# KiCad board PETER.kicad_pcb (continued)
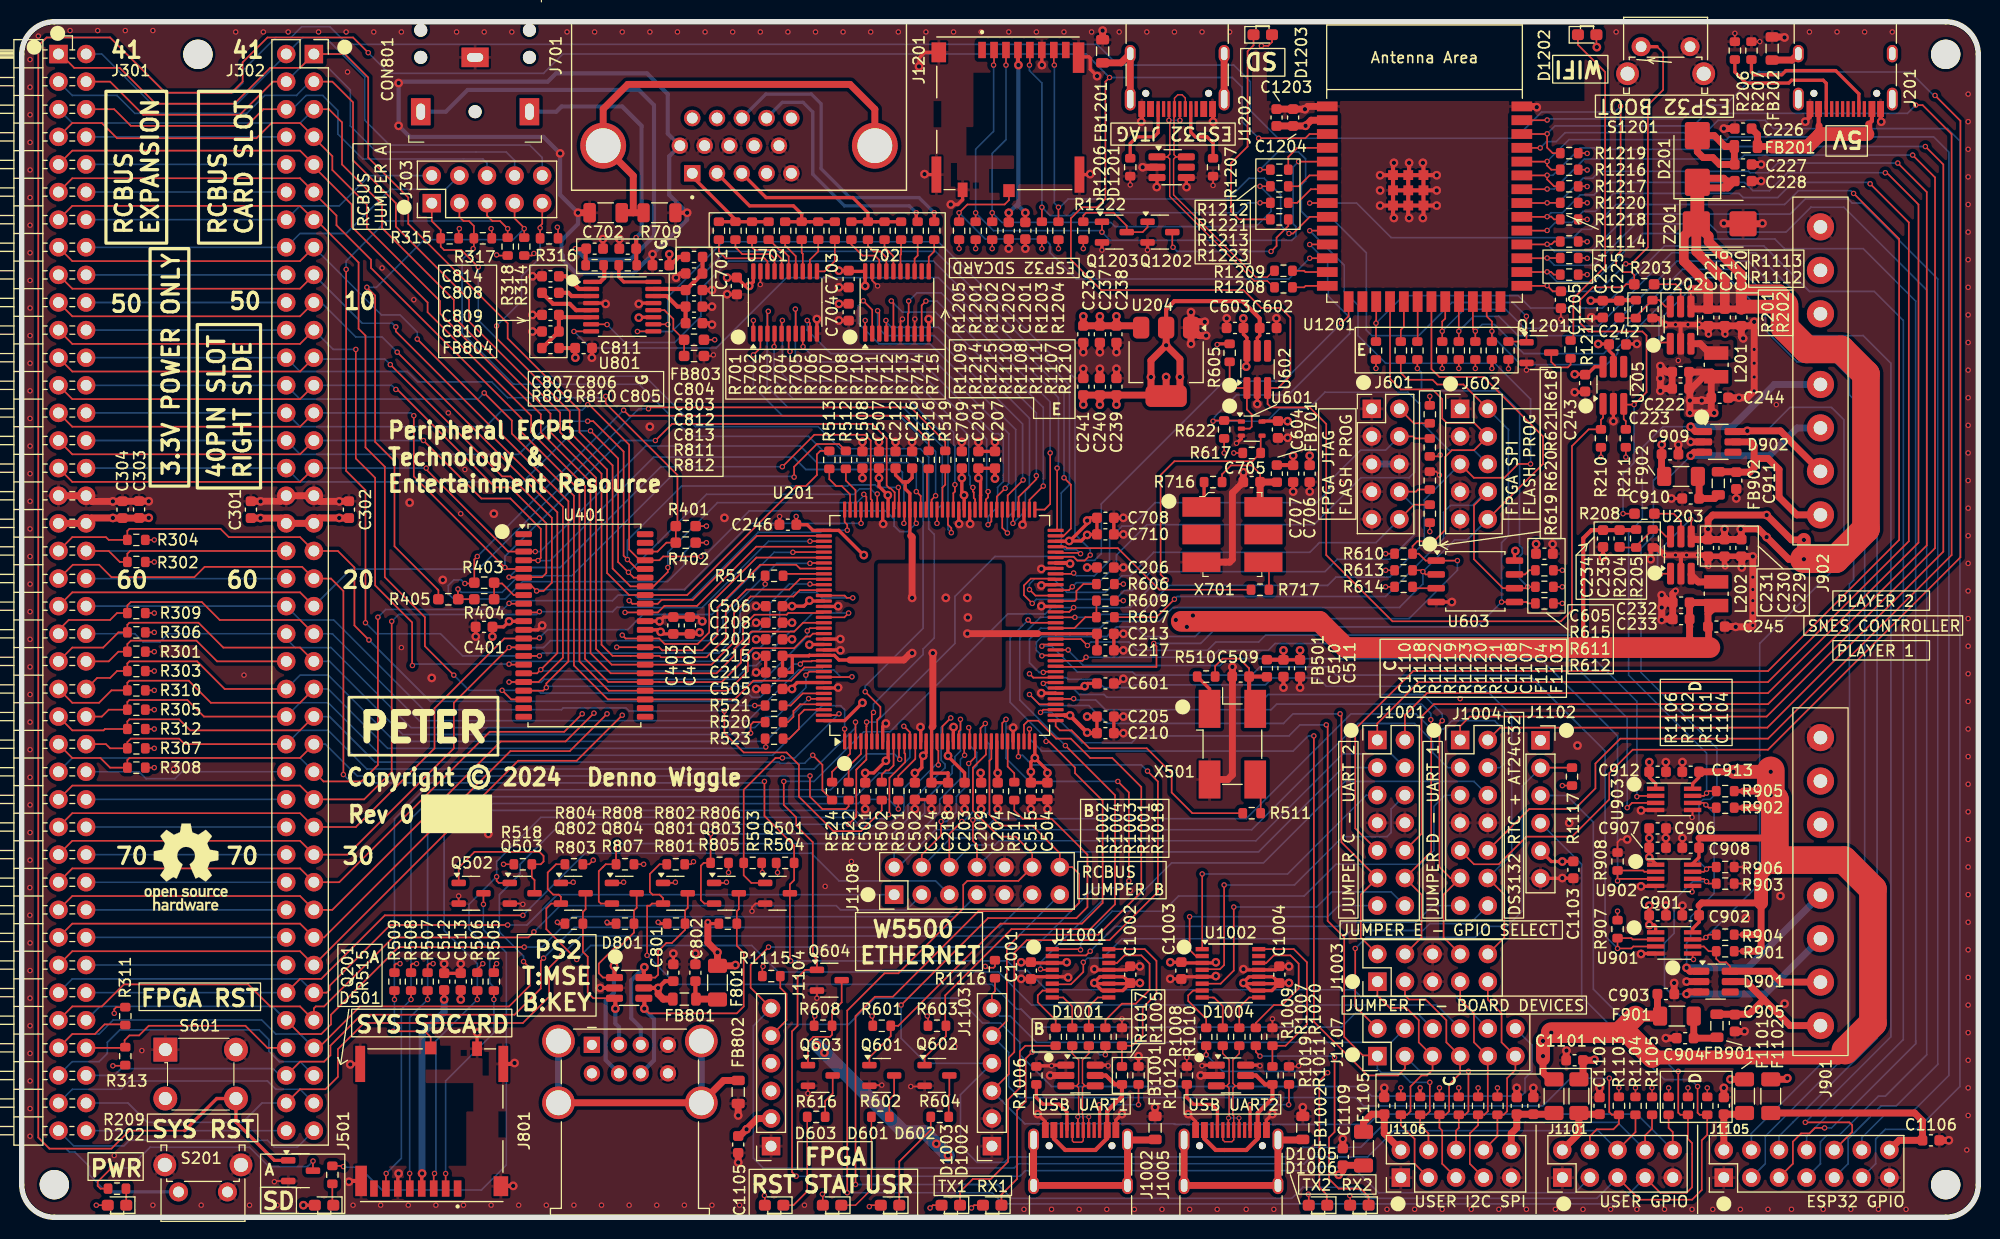
[diagram p0: board, top side]
## Routing (per net, layer and track width the routed paths; a pad name or vN(x,y) marks a point on that pad's centre or on a via; arc(x,y) is an arc through that point)
+1V1: length 220.3
  Top w0.305: C209.1 88.27,40.84 v1(88.22,40.89) ; v1(89.79,40.89) 89.71,40.97 U201.29 ; C202.1 v1(70.87,53.18) ; C203.1 86.74,40.89 85.22,42.41 v1(85.22,42.46) 85.21,42.47 U201.20 ; v1(77.47,60.93) 77.45,60.93 75.17,63.2 U201.109 72.79,63.2 72.26,63.72 C246.1 71.26,64.47 v2(71.25,64.48) ; C208.1 v1(70.87,54.7) ; v1(77.34,47.34) 75.71,45.7 U201.144 ; C205.1 C210.1 ; v1(72.47,52.67) 72.5,52.7 U201.130 ; U201.83 88.21,66.43 88.22,66.44 88.22,67.81 v1(88.01,68.01) C201.1 C207.1 ; 95.95,46.2 U201.38
  Top w0.381: 143.76,52.42 143.66,52.53 143.66,62.47 144.41,63.23 C234.1 148.48,63.23 R204.1 ; 89.49,68.01 v1(89.54,67.96) C207.1 ; U201.66 96.38,60.2 v1(96.44,60.14) ; C210.1 98.07,44.54 v1(98.02,44.59) v1(96.44,46.17) 95.98,46.17 95.95,46.2 ; C206.1 v1(98.02,59.78) ; C205.1 v1(98.02,46.07) ; C204.1 v1(89.79,40.89)
  Top w0.635: C233.1 153.44,53.28 153.54,53.18 ; C233.1 153.44,54.32 153.47,54.35 ; C233.1 C232.1 155.62,56.56 L202.2 155.13,55.52 C245.1 155.19,54.28 155.19,53.18
  Top w1.905: 106.68,54.83 119.38,54.83 121.79,52.42 155.3,52.42
  In2.Cu w0.508: 88.22,66.44 88.22,67.81
  In2.Cu w0.635: 77.73,51.27 73.79,51.27 73.41,51.66 73.41,51.73 v1(72.47,52.67) 71.37,52.67 v1(70.87,53.18) v1(70.87,54.7) 77.22,54.7 77.47,54.45 ; 91.57,47.85 92.2,47.21 95.4,47.21 v1(96.44,46.17) 97.92,46.17 v1(98.02,46.07) v1(98.02,44.59) 95.84,44.59 95.12,45.31 93.6,45.31 92.74,46.17 92.23,46.17 90.93,47.47 90.17,47.47 89.79,47.08 v1(89.79,40.89) v1(88.22,40.89) 88.22,43.58 87.89,43.91 87.89,47.08 88.27,47.47 ; v1(85.22,42.46) 84.46,43.22 84.46,46.83 85.09,47.47 ; v1(96.44,60.14) 97.66,60.14 v1(98.02,59.78) 98.02,57.65 100.46,55.21 ; 88.22,67.81 v1(88.01,68.01) 88.06,67.96 v1(89.54,67.96) 89.66,67.84 89.66,63.32 89.54,63.19 89.54,61.69 88.9,61.69 88.14,62.45 88.14,66.36 88.22,66.44 ; v1(77.47,60.93) 75.95,60.93 72.39,64.48 v2(71.25,64.48)
  In2.Cu w1.27: 90.93,53.69 95.63,53.69 96.01,54.07 99.32,54.07 100.46,55.21 105.92,55.21 v1(106.17,54.96) ; v1(106.17,54.96) 106.81,54.32 v1(107.19,54.32) 107.75,54.88 v1(107.75,55.36) 106.58,55.36 v1(106.17,54.96)
+2V5: length 202.8
  Top w0.305: 70.87,51.66 C215.1 C211.1 70.89,50.13 70.89,51.63 70.87,51.66 ; 70.87,51.66 72.42,51.66 72.47,51.71 72.47,51.7 U201.132 74.76,51.7 75.18,51.27 76.2,51.27 ; C212.1 80.39,68.29 81.03,67.66 81.28,67.66 ; 81.28,67.66 81.28,67.02 81.71,66.6 U201.96 81.71,65.11 81.71,62.78 81.79,62.7 ; 81.28,67.66 81.53,67.66 81.92,68.05 C216.1 ; 83.74,45.1 83.71,45.06 U201.17 83.71,40.87 83.69,40.86 ; C602.1 113.89,81.12 113.67,80.89 113.67,79.72 ; 83.69,40.86 C214.1 C218.1 85.22,40.89 85.19,40.86 83.69,40.86 ; C217.1 C213.1 95.13,53.69 U201.53 93.48,53.7 ; 83.74,51.83 v1(83.82,51.91) ; 81.71,57.19 v1(81.92,56.99)
  Top w0.381: U204.2 105.28,83.53 106.05,84.3 112.3,84.3 113.89,82.7 C602.1
  Top w0.635: 76.2,51.27 81.15,51.27 81.66,51.78 81.79,51.78 v1(81.92,51.91) ; U204.2 v1(105.28,80.23) ; v1(105.28,80.23) 103.89,78.83 v1(103.89,77.31) 103.89,75.56 U204.4 ; v1(105.28,80.23) 106.55,78.96 v1(106.55,77.31) 106.55,75.56 U204.4 ; C240.1 v1(99.19,74.77) ; C240.1 C241.1 v1(97.66,74.77) ; C240.1 C239.1 ; U204.4 105.2,75.65 C239.1 ; U204.4 v1(105.28,77.31) ; 83.74,45.1 83.82,45.18 v1(83.82,51.91) ; C239.1 v1(100.71,74.77) ; 81.79,62.7 81.92,62.58 v1(81.92,56.99) ; v1(87,53.7) 93.48,53.7
  In2.Cu w0.635: v1(87.05,55.19) 87.05,55.77 90.17,58.89 ; 90.17,58.89 90.17,59.53 89.54,59.53 v1(87,56.99) ; 90.17,58.89 90.17,59.02 92.46,61.31 93.73,61.31 100.71,68.29 v1(100.71,74.77) 104.01,74.77 v1(106.55,77.31) v1(105.28,77.31) ; 89.92,60.55 91.7,62.32 93.35,62.32 99.19,68.17 v1(99.19,74.77) 100.2,75.79 103.76,75.79 v1(105.28,77.31) ; 89.92,60.55 89.03,60.55 85.47,56.99 v1(85.01,56.99) ; 89.92,60.55 90.17,60.55 98.24,68.61 98.24,70.64 97.66,71.21 v1(97.66,74.77) 99.44,76.55 103.12,76.55 v1(103.89,77.31) v1(105.28,77.31) ; v1(105.28,77.31) v1(105.28,80.23)
+3.3V: length 343.9
  Top w0.127: 149.99,11.08 v2(149.99,11.91) ; 153.29,11.08 v2(153.29,11.91) ; 151.51,11.08 v2(151.51,11.91) ; 146.94,11.08 v2(146.94,11.91) ; 155.07,11.08 v2(155.07,11.91)
  Top w0.152: v2(65.02,31.72) 65.02,31.72 R806.1 ; v2(50.74,30.83) 50.67,30.76 Q802.1 ; R811.1 v2(63.75,80.74) ; R1111.2 v2(133.73,78.1) ; R1116.2 89.54,23.08 89.41,22.95 88.77,22.95 v2(88.65,23.08) ; v2(37.85,23.34) 37.47,23.34 37.34,23.21 R507.1 ; v2(68.2,23.08) 68.14,23.02 R1115.2 ; R603.1 83.38,18.44 v2(83.31,18.51) ; R611.1 v2(141.73,58.01) ; v2(36.32,23.34) 35.94,23.34 35.81,23.21 R508.1 ; D1203.2 115.02,108.13 114.68,107.79 v2(114.05,107.79) ; Q801.1 60.07,30.76 v2(60.14,30.83) ; D202.2 v2(6.86,1.11) ; R1216.2 143.99,96.39 v2(144.02,96.36) ; D1005.2 122.21,1.96 v2(122.17,2) ; v2(144.02,97.88) 143.99,97.91 R1219.2 ; R301.2 v2(12.19,52.04) ; R1109.2 v2(124.59,78.1) ; 146.81,27.34 v2(146.81,28.16) ; 89.28,89.95 v2(89.28,89.12) ; R1113.2 143.99,88.26 v2(144.02,88.23) ; 148.46,11.08 v2(148.46,11.91) ; v2(73.66,2.13) 73.7,2.09 D601.2 ; R304.2 v2(12.19,62.32) ; R608.1 72.9,18.45 v2(72.96,18.51) ; D1002.2 87.63,1.11 v2(87.38,0.86) ; Q803.1 64.77,30.76 v2(64.83,30.83) ; v2(67.31,82.52) 67.31,82.51 U701.1 ; v2(8.51,18.76) 8.51,19.14 8.7,19.33 R311.2 ; R614.1 v2(125.48,58.01) ; v2(144.02,94.84) 143.99,94.86 R1217.2 ; D1003.2 83.82,1.11 v2(83.57,0.86) ; 86.23,89.95 v2(86.23,89.12) ; v2(40.26,90.96) 40.2,90.9 R315.2 ; v2(141.73,39.72) R1117.2 ; R615.1 v2(141.73,59.53) ; v2(126.87,11.91) R1118.2 ; 132.21,11.08 132.21,11.91 v2(132.21,11.91) ; R613.1 v2(125.48,59.53) ; R312.2 v2(12.19,44.92) ; v2(153.67,29.94) 153.72,29.99 U902.5 ; R505.1 43.44,23.08 v2(43.69,23.34) ; v1(144.91,107.66) 144.87,107.7 D1202.2 145,108.81 ; D603.2 68.37,1.96 v2(68.33,2) ; R622.1 v2(110.62,70.33) ; R601.1 78.3,18.44 v2(78.23,18.51) ; v2(42.42,23.34) 41.91,22.83 R506.1 ; v2(34.8,23.34) 34.42,23.34 34.29,23.21 R509.1 ; 95.38,89.95 v2(95.38,89.12) ; R606.1 v2(101.35,58.26) ; v2(43.18,90.96) 43.24,90.9 R317.2 ; v2(55.37,30.83) 55.31,30.76 Q804.1 ; R303.2 v2(12.19,50.26) ; R316.2 49.34,91.03 v2(49.28,91.09) ; R1218.2 v2(144.02,91.81) ; v2(8.38,13.94) 9.46,13.94 R313.2 ; R305.2 v2(12.19,46.7) ; R310.2 v2(12.19,48.48) ; v2(69.53,31.72) 69.53,32.48 69.41,32.61 ; R306.2 v2(12.19,53.81) ; v2(101.35,56.74) R609.1 ; R618.1 v2(129.54,75.53) ; R1210.1 v2(136.78,78.07) ; R211.1 v2(147.57,69.94) ; R1114.2 143.99,89.78 v2(144.02,89.76) ; 153.72,24.26 153.72,23.79 v2(153.8,23.72) ; R309.2 v2(12.19,55.59) ; v2(61.8,32.72) 61.56,32.48 R802.1 ; R1220.2 v2(144.02,93.34) ; R621.1 130.37,70.01 v2(130.49,70.13) ; R302.2 v2(12.19,60.29) ; 87.76,89.95 v2(87.76,89.12) ; R804.1 52.2,32.48 v2(52.58,32.86) ; R612.1 v2(141.73,56.48) ; R610.1 v2(125.48,61.05) ; 135.76,11.08 v2(135.76,11.91) ; v2(118.36,2.13) 118.4,2.09 D1006.2 ; D602.2 78.11,1.11 v2(77.98,0.98) ; R808.1 v2(57.21,32.48) ; R314.2 46.93,88.49 v2(47.12,88.68) ; 93.85,89.95 v2(93.85,89.12) ; R1119.2 v2(130.43,11.91) ; R210.1 v2(145.29,69.94) ; R617.1 v2(111.51,70.33) ; v2(77.6,82.52) 77.59,82.51 U702.1 ; v2(68.14,31.72) 68.14,32.54 R503.1 ; R318.2 43.75,88.49 v2(43.69,88.55) ; R1108.2 v2(132.21,78.1) ; R307.2 v2(12.19,43.15) ; v2(44.32,32.48) R518.1 ; R401.1 v2(62.99,63.59) ; 133.99,11.08 v2(133.99,11.91) ; R1110.2 v2(130.68,78.1) ; R619.1 v2(129.54,63.09) ; R308.2 v2(12.19,41.37) ; 97.66,89.95 v2(97.66,89.12) ; R1112.2 v2(144.02,86.73)
  Top w0.305: v1(139.32,61.94) 139.31,61.93 C605.1 ; 150.32,39.42 150.32,39.89 149.73,40.48 v1(149.73,41.88) 149.73,41 C912.1 ; v1(93.21,42.26) 94.36,41.11 v1(94.36,40.89) C504.1 C515.1 v1(92.84,40.99) 92.84,41.9 v1(93.21,42.26) ; v1(93.21,42.26) U201.36 ; v2(128.65,11.91) 128.65,11.08 ; v1(64.9,86.45) 64.91,86.47 C701.1 66.56,85.69 v1(66.93,85.69) 67.31,86.07 U701.20 ; v1(112.4,21.56) 112.4,21.62 112.9,22.13 115.11,22.13 C1004.1 ; v1(112.4,21.56) 112.46,21.49 115.65,21.49 C1004.1 ; v1(112.4,21.56) 113.09,20.86 115.01,20.86 C1004.1 ; U201.86 86.71,66.42 v1(86.69,66.44) 86.49,66.64 v1(86.49,68.01) C709.1 ; U201.100 79.71,66.41 v1(79.68,66.44) 78.87,67.25 v1(78.87,68.01) C507.1 ; C1002.1 101.93,21.49 U1001.11 98.74,21.49 v1(98.68,21.56) ; C1002.1 101.99,21.56 v1(102.87,21.56) ; C1002.1 101.3,20.86 U1001.10 99.38,20.86 v1(98.68,21.56) ; C1002.1 101.4,22.13 U1001.12 99.19,22.13 98.68,21.62 v1(98.68,21.56) ; v1(96.36,62.23) 96.43,62.23 98.02,63.82 v1(98.02,64.1) 98.27,64.36 C708.1 C710.1 98.07,62.83 v1(98.02,62.78) 97.47,62.23 v1(96.36,62.23) ; v1(96.36,62.23) 96.33,62.2 U201.70 ; U601.5 114.16,73.26 C604.1 116.45,73.26 v1(116.46,73.25) ; C1004.1 115.71,21.56 v1(116.59,21.56) ; U201.43 97.62,48.7 v1(97.79,48.87) 98.04,49.12 C601.1 ; J1102.5 140.72,32.73 v1(141.73,32.73) 141.75,32.75 C1103.1 ; v1(43.3,53.43) 43.31,53.45 C401.1 44.32,54.32 v1(44.83,54.83) 46.16,54.83 U401.11 ; v1(137.42,61.31) 137.33,61.22 U603.8 ; v1(62.36,53.81) 62.22,53.67 C402.1 C403.1 58.94,53.67 58.57,54.05 U401.33 ; C704.1 75.2,84.05 v1(75.18,84.04) ; v1(96.14,23.46) 96.08,23.4 U1001.3 92.91,23.4 C1001.1 92.83,23.46 v1(91.95,23.46) ; v1(116.08,52.16) C510.1 C511.1 v1(117.6,52.16) ; C906.1 149.72,34.91 v1(149.73,34.89) 149.72,34.88 C907.1 149.73,33.99 v1(149.73,33.11) 150.32,32.53 U902.1 ; C1202.1 v1(90.81,92.42) ; C508.1 v1(77.34,68.01) ; v1(112.65,78.27) 112.72,78.33 112.72,80.93 112.4,81.25 C603.1 112.4,82.7 v1(112.38,82.71) ; v1(75.18,87.09) 75.2,87.1 C703.1 76.15,87.03 U702.20 77.59,85.7 v1(77.6,85.69) ; U801.11 56.81,82.81 v1(56.77,82.77) ; v1(118.49,70.07) C706.1 ; J501.4 36.8,4 v1(36.83,4.03) ; R1107.2 v2(135.26,78.1) ; C506.1 v1(70.87,56.23) 71.96,56.23 v1(72.47,56.74) 72.5,56.7 U201.122 ; C1201.1 v1(92.33,92.42) ; U901.1 150.32,26.76 150.19,26.89 v1(149.73,26.89) 149.72,26.9 C901.1 149.72,28.66 v1(149.73,28.67) ; U201.137 71.33,49.2 70.87,48.73 v1(70.87,48.61) C505.1 ; U201.9 79.71,42.21 v1(79.5,42) 78.39,40.89 v1(77.6,40.89) C501.1 ; R605.1 110.05,80.36 v2(109.98,80.3) ; U201.16 83.21,42.74 v1(82.93,42.46) 82.8,42.33 82.8,41.37 82.32,40.89 v1(82.17,40.89) C502.1 ; v1(142.88,77.56) 143.79,77.56 C243.1 143.99,77.53 144.72,78.26 U205.6 ; v1(109.86,23.46) 109.79,23.4 U1002.3 106.76,23.4 C1003.1 106.67,23.46 v1(105.67,23.46) ; D501.2 v1(25.91,1.11) ; U205.5 146.43,79.34 146.04,79.74 C242.1 145.99,80.35 v1(145.04,80.35) ; v1(116.97,70.07) C707.1
  Top w0.381: C510.1 116.07,51.3 FB501.2 ; v1(50.93,79.09) 50.92,79.1 C811.1 FB804.2 ; v1(59.58,88.61) C805.1 59.69,87.6 60.45,88.36 FB803.2 ; C707.1 116.96,69.21 FB701.2 ; v1(91.7,106.01) 91.65,106.06 J1201.4 ; v1(144.35,84.33) C224.1 C225.1 147.03,84.38 R201.1 ; C513.1 v1(40.39,20.03) ; C512.1 v1(38.86,20.03)
  Top w0.635: v1(162.43,12.79) 162.33,12.69 F1102.2 ; C223.1 153.47,76.17 v1(153.47,75.15) ; C223.1 C222.1 155.46,77.77 L201.2 ; C223.1 153.62,76.24 154.71,77.34 L201.2 ; C1204.1 118.1,100.41 v1(118.11,100.42) 118.63,100.94 U1201.2 ; C1204.1 116.95,100.42 ; C1204.1 C1203.1 ; C238.1 102.82,82.02 U204.3 ; C238.1 v1(100.71,82.9) ; C238.1 C237.1 ; v1(153.47,75.15) v1(154.56,75.15) 155.18,75.15 C244.1 ; v1(153.47,75.15) v1(153.47,74.01) v1(154.56,74.01) v1(155.7,74.01) 155.44,74.27 C244.1 ; C244.1 155.44,76.88 L201.2 ; C237.1 v1(99.19,82.9) ; C237.1 C236.1 v1(97.66,82.9) ; C302.1 29.22,64.33 v1(29.21,64.34) 27.37,64.34 J302.18 J302.58 ; J301.18 J301.58 6.42,64.34 v1(8.38,64.34) 8.4,64.33 C304.1 10.78,64.33 10.8,64.34 11.67,64.34 v1(11.69,64.36) ; v1(144.69,14.5) 144.64,14.44 C1101.1 143.64,13.07 F1103.2 ; C301.1 v1(21.97,64.33) 23.89,64.33 24.33,63.89 24.36,63.89 ; J1104.2 67.67,9.09 66.68,8.1 v1(66.68,8.09) 66.06,7.47 65.91,7.47 ; F1105.2 123.43,4.78 C1109.1 121.54,4.29 v1(121.15,3.9) ; v1(157.2,12.69) F1101.2
  Bottom w0.381: v1(91.7,106.01) 91.7,93.31 ; 91.7,93.31 v1(90.81,92.42) ; 91.7,93.31 91.7,93.06 v1(92.33,92.42)
  Bottom w0.635: v1(36.83,4.03) 36.83,16.86 38.86,18.89 v1(38.86,20.03)
  vias: v1(58.77,53.87)
+5V: length 450
  Top w0.152: v2(153.54,64.23) 153.59,64.18 U203.4 ; v2(150.62,80.48) 151.56,80.48 U202.1 ; v2(150.75,59.15) 150.82,59.22 U203.1 ; U202.4 153.57,85.42 v2(153.54,85.44) ; R904.2 158.37,26 ; 154.86,85.44 155.16,85.73 ; R901.2 158.37,24.48
  Top w0.305: U902.8 153.72,32.53 154.31,33.11 154.31,33.99 C908.1 154.32,34.88 154.31,34.89 ; v2(49.28,27.15) 49.4,27.02 R803.1 ; C909.1 150.86,71.07 v1(150.88,71.09) ; v2(53.85,27.15) 53.98,27.02 R807.1 ; U901.8 153.72,26.56 154.32,27.16 C902.1 154.32,28.66 154.31,28.67 ; v2(63.12,27.15) 63.25,27.02 R805.1 ; 154.31,40.48 153.72,39.89 153.72,39.42 ; 150.86,68.41 151.11,68.17 ; R801.1 58.67,27.02 v2(58.55,27.15) ; 154.31,41 C913.1
  Top w0.381: R905.2 158.37,39.21 ; R902.2 158.37,37.69 ; 53.85,27.02 v2(53.85,27.15)
  Top w0.635: C230.1 156.65,63.3 v1(156.67,63.31) ; C230.1 C231.1 ; C230.1 C229.1 158.2,63.25 v1(158.14,63.31) 158.17,63.34 159.77,63.34 162.56,60.55 v1(163.96,60.55) ; C231.1 153.87,62.36 U203.4 ; C231.1 155.13,63.3 v1(155.14,63.31) 155.14,64.18 155.58,64.61 v1(160.53,64.61) 162.81,62.32 v1(163.96,62.32) ; 156.59,94.71 156.96,94.71 C228.1 156.85,95.34 156.59,95.6 154.53,95.6 D201.1 154.67,94.71 156.59,94.71 ; 156.59,94.71 156.59,94.84 ; F1104.2 140.56,12.69 139.95,13.3 139.95,14.57 140.21,14.57 ; 160.02,26 160.02,24.86 159.64,24.48 158.37,24.48 ; 160.02,26 160.02,28.92 154.56,28.92 154.31,28.67 ; 160.02,26 158.37,26 ; v1(65.66,23.21) 65.59,23.13 F801.2 v1(64.01,24.38) 63.12,25.27 v2(63.12,27.15) ; C903.1 150.48,18.88 150.85,18.51 ; 158.37,39.21 160.91,39.21 160.91,41.11 ; C220.1 C219.1 C221.1 153.79,83.57 U202.4 ; v2(153.54,85.44) 154.86,85.44 ; C909.1 150.86,68.41 ; 160.15,37.69 158.37,37.69 ; C913.1 v1(157.48,40.99) 157.86,41.37 ; 161.29,34.89 154.31,34.89
  Top w0.889: Z201.1 155.19,90.27 155.19,89.76 158.2,86.75 158.2,85.31 ; Z201.1 154.06,88.86 156.68,86.24 C219.1 ; Z201.1 152.91,90.25 152.91,87.98 155.16,85.73 C221.1
  Top w1.016: 148.46,18.51 F901.1 ; 158.55,83.91 C220.1 158.2,85.31 161.8,85.31 162.18,84.93 162.18,83.91
  Top w1.27: 158.67,83.79 162.05,83.79 162.18,83.91 ; Z201.1 154.15,91.5 D201.1 ; 160.02,28.92 160.02,31.59 161.29,32.86 ; 149.99,14.7 167.13,14.7 167.77,15.33 ; 160.91,41.11 160.78,40.99 v1(157.48,40.99) ; v1(163.96,60.55) v1(163.96,62.32) ; v1(139.95,16.22) v1(139.95,14.83) ; v1(139.95,16.22) v1(140.72,16.98) ; v1(139.95,16.22) 139.95,14.57
  Top w1.905: 149.99,14.7 147.83,16.86 ; 148.46,18.51 146.94,16.98 v1(140.72,16.98)
  Top w2.54: 162.18,83.91 162.18,81.88 164.21,79.85 167.39,79.85 169.67,77.56 169.67,63.34 166.88,60.55 v1(163.96,60.55) ; 167.77,15.33 170.31,17.87 170.31,30.19 167.64,32.86 161.29,32.86 161.29,38.45 v1(160.91,38.83) 160.91,41.11
  In2.Cu w0.305: 158.17,63.34 v1(158.14,63.31)
  In2.Cu w0.381: v2(49.28,27.15) v2(53.85,27.15) v2(58.55,27.15) v2(63.12,27.15)
  In2.Cu w0.635: v2(153.54,64.23) 154.46,63.31 v1(155.14,63.31)
  In2.Cu w1.27: v1(163.96,60.55) v1(163.96,62.32) ; 158.17,63.34 159.77,63.34 v1(160.53,62.58) ; v1(158.14,63.31) v1(156.67,63.31) v1(155.14,63.31) 155.14,66.06 150.88,70.33 v1(150.88,71.09) ; v1(85.22,5.68) v1(84.14,6.76) ; v1(157.48,40.99) 157.61,41.11 157.61,46.32 160.53,49.24 v1(160.53,64.61) ; 139.95,15.97 139.83,16.1 v1(139.95,16.22) ; 91.19,4.03 92.08,4.92 117.73,4.92 117.86,5.05 ; v1(64.01,24.38) 64.49,24.38 v1(65.66,23.21) 67.18,21.68 69.98,21.68 71.25,20.41 71.25,18 73.15,16.1 v1(73.15,15.84) v1(73.85,15.14)
  In2.Cu w1.905: v1(140.72,16.98) 140.72,16.73 139.95,15.97 139.95,14.19 141.1,13.05 141.1,10.76 139.95,9.62 121.29,9.62 117.86,6.19 117.86,5.05 ; v1(85.22,5.68) 86.87,4.03 91.19,4.03
  In2.Cu w2.54: v1(160.91,38.83) 160.91,45.18 163.96,48.23 v1(163.96,60.55)
  Bottom w0.152: v2(150.75,59.15) 150.5,59.4 150.5,61.18 v2(153.54,64.23) ; v2(153.54,85.44) 150.62,82.52 v2(150.62,80.48)
  Bottom w1.27: v1(85.22,5.68) 83.06,7.84 81.15,7.84 v1(73.15,15.84)
  vias: v1(160.91,40.99)
/FPGA IO/VCC_OSC2: length 10.4
  Top w0.152: R510.1 109.79,50.7 110.49,51.4 112.02,51.4 112.9,50.51 112.92,50.51 C509.1
  Top w0.381: X501.4 112.92,47.34 C509.1 114.53,49.75 FB501.1
/Power Supply/VBUS_5V: length 17.5
  Top w0.381: J201.A4 170.22,100.88 169.93,100.59 ; J201.A9 165.32,100.46 165.36,100.42
  Top w0.635: 165.36,99.53 165.36,100.42 ; 169.93,100.59 169.93,99.53 ; 161.04,98.52 FB201.1 159.69,99.63 C226.1
  Top w1.27: 169.8,99.66 165.48,99.66 164.34,98.52 161.04,98.52
/RGB VGA/VCC_OSC1: length 9.6
  Top w0.152: R716.1 110.43,68.36 111.25,69.18 113.16,69.18 113.93,68.41 C705.1
  Top w0.635: FB701.1 115.46,67.64 C705.1 113.93,65.66 X701.6
/SNES Connectors/5V_SNES1: length 14.9
  Top w0.635: D901.5 158.62,21.68 160.27,20.03 ; FB901.2 158.92,18.68 160.27,20.03 ; 160.27,20.03 162.67,17.64 J901.1
/SNES Connectors/5V_SNES2: length 17.3
  Top w0.635: 159.39,69.82 160.66,69.82 161.67,68.8 161.67,66.26 163.31,64.63 J902.1 ; 159.39,69.82 159.39,70.96 159,71.34 D902.5 ; 159.39,69.82 159.39,68.95 158.99,68.56 C911.1 157.7,68.59 FB902.2
/UART_FT230X/VBUS_SENSE_UART1: length 16.4
  Top w0.152: U1001.16 103.32,24.67 104.39,23.59 104.39,20.54 103.12,19.27 103.12,16.73 102.17,15.78 R1018.1 R1017.2
/UART_FT230X/VBUS_SENSE_UART2: length 16.5
  Top w0.152: U1002.16 117.03,24.67 118.24,23.46 118.24,17.75 116.27,15.78 R1020.1 R1019.2
/UART_FT230X/VBUS_UART1: length 14.9
  Top w0.381: D1001.5 99.75,13.05 100.57,12.22 R1017.1 101.22,11.12 99.86,9.76 J1002.A9 99.86,7.27 98.78,6.19 96,6.19 94.96,7.23 J1002.A4
/UART_FT230X/VBUS_UART2: length 14.9
  Top w0.381: J1005.A4 108.8,7.23 109.84,6.19 112.66,6.19 113.7,7.23 J1005.A9 113.7,9.58 115.06,10.94 R1019.1 114.39,12.22 113.56,13.05 D1004.5
/USER IO, SPI, I2C/3V3_IO1: length 7
  Top w0.635: F1105.1 123.45,8.73 124.2,9.48 C1110.1 125.35,7.72 J1106.2
/USER IO, SPI, I2C/3V3_IO2: length 6
  Top w0.635: C1102.1 143.37,9.48 F1103.1 143.26,7.71 J1101.2
/USER IO, SPI, I2C/3V3_IO3: length 5.2
  Top w0.635: F1101.1 158.38,9.48 C1104.1 156.59,6.19 J1105.2
/USER IO, SPI, I2C/3V3_IO4: length 19.5
  Top w0.635: J1105.14 172.72,7.08 C1106.1 174.87,8.84 174.88,8.86 174.14,9.59 F1102.1
/USER IO, SPI, I2C/5V0_IO1: length 7
  Top w0.635: F1104.1 140.86,9.48 C1107.1 C1108.1 137.54,8.22 137.04,7.72 J1106.10
GND: length 487
  Top w0.152: R1207.2 v2(109.6,94.94) ; v2(63.63,79.34) 63.53,79.25 R812.1 ; v2(23.24,3.27) 23.31,3.34 Q201.2 ; Q503.2 46.04,28.86 v2(46.1,28.8) ; v2(40.2,29.56) 40.2,28.87 Q502.2 ; 73.16,20.86 73.16,20.17 v2(73.15,20.16) ; R903.2 v2(158.5,30.7) ; U903.5 153.72,36.85 v2(153.67,36.8) ; v2(138.43,77.94) 138.44,77.95 Q1201.2 ; v2(82.17,82.64) 82.14,82.62 U702.8 ; v2(117.48,13.94) 117.41,13.87 R1011.2 ; v2(130.43,68.29) 130.11,68.61 R620.1 ; R908.2 146.81,34.51 147.07,34.76 v1(147.7,34.76) ; U701.19 67.96,85.83 v2(67.95,85.82) ; v2(79.12,12.16) 78.05,12.16 Q601.2 ; v2(67.18,28.16) 67.18,28.54 67.5,28.86 Q501.2 ; v2(72.33,11.4) 72.33,11.4 Q603.2 ; R1018.2 v2(101.22,18.25) ; C1205.2 v2(141.61,82.64) ; R1012.2 v2(107.19,14.7) ; R207.2 159.89,108.17 v2(159.89,108.17) ; v2(157.61,108.93) R206.2 ; v2(78.74,85.69) 78.24,86.19 U702.19 ; 144.34,82.8 144.35,82.78 ; R1020.2 v2(115.06,18.25) ; U702.6 80.84,82.46 v2(81.03,82.64) ; Q602.2 83,12.03 v2(81.79,12.03) ; R1206.2 v2(101.98,94.99) ; R906.2 v2(158.5,32.22)
  Top w0.305: v1(56.77,84.04) 56.84,84.11 U801.13 ; J1201.6 93.85,106.02 v1(93.85,106.01) ; C506.2 v1(67.57,56.23) 67.44,56.23 ; 91.21,44.92 v1(91.21,45.05) 91.21,45.05 U201.32 ; U702.10 83.44,82.64 v1(83.44,82.64) ; C806.2 54.98,90 v1(54.99,90.01) ; U201.101 79.21,63.84 v1(79.25,63.8) ; C1201.2 v1(92.33,89.12) ; 88.27,38.44 v1(88.27,37.56) ; v1(101.35,64.36) 100.47,64.36 100.47,62.83 v1(101.35,62.83) ; 45.18,2.86 v1(45.21,2.89) ; U801.4 53.65,84.11 v1(53.72,84.04) ; C505.2 v1(67.57,48.61) ; v1(152.78,28.67) 152.77,28.66 C902.2 ; C243.2 143.77,75.91 v1(142.88,75.91) ; J1005.A1 108,8.81 v1(107.32,9.49) ; C709.2 v1(86.49,71.34) 86.36,71.34 ; D1004.1 108.65,14 v2(108.59,13.94) ; v1(87.25,63.8) 87.21,63.84 U201.85 ; C508.2 v1(77.34,71.34) ; D1201.4 107.14,94.81 v1(107.16,94.79) ; v1(152.78,34.89) 152.77,34.88 C908.2 ; v1(89.54,71.34) C207.2 C201.2 v1(88.01,71.34) 88.14,71.34 ; 98.74,22.89 v1(98.68,22.83) 98.74,22.76 U1001.13 101.65,22.76 C1002.2 101.99,23.08 v1(102.87,23.08) ; v1(82.68,45.1) 82.71,45.07 U201.15 ; Q1203.2 99.38,89 v2(99.38,88.99) ; U201.75 92.21,63.85 v1(92.08,63.72) ; C242.2 147.64,80.36 v1(148.59,80.36) ; C703.2 75.2,85.55 v1(75.18,85.56) ; C1003.2 106.88,22.13 U1002.5 109.79,22.13 v1(109.86,22.19) ; C1003.2 106.67,21.94 v1(105.67,21.94) ; C1003.2 106.55,21.93 ; J1102.6 141.71,31.18 v1(141.73,31.21) 141.75,31.2 C1103.2 ; J501.9 41.89,16.96 v1(41.91,16.98) ; v1(93.8,59.66) 93.85,59.7 U201.65 ; v1(93.8,58.13) 93.87,58.2 U201.62 ; v1(96.27,22.06) 96.2,22.13 U1001.5 93.04,22.13 C1001.2 92.83,21.94 v1(91.95,21.94) ; C707.2 v1(116.97,66.77) ; v1(61.98,24.26) 61.98,23.33 62.04,23.26 ; v1(101.35,52.16) 100.47,52.16 100.47,53.69 v1(101.35,53.69) ; C507.2 v1(78.87,71.34) ; v1(131.57,56.61) U603.4 ; C202.2 v1(67.57,53.18) ; C913.2 152.77,41.87 v1(152.78,41.88) ; C212.2 v1(80.39,71.34) ; C706.2 v1(118.49,66.77) ; v1(148.97,24.22) 149.01,24.26 150.32,24.26 ; v1(75.31,52.16) 75.28,52.2 U201.131 ; v1(30.23,14.06) 30.27,14.11 J501.SH4 ; v1(62.61,54.83) 62.22,55.22 59.07,55.22 v1(58.67,54.83) 58.66,54.85 U401.34 ; C216.2 v1(81.92,71.34) ; 100.47,59.78 v1(101.35,59.78) ; C906.2 151.27,34.91 v1(151.26,34.89) 151.27,34.88 C907.2 ; C604.2 116.45,71.71 v1(116.46,71.72) ; D1001.6 99.89,14 v2(99.95,13.94) ; v1(93.8,48.23) 95.09,48.23 U201.42 ; v1(104.42,94.79) 104.44,94.81 D1201.3 ; v1(93.8,56.23) 93.83,56.2 U201.58 ; U201.123 75.08,56.2 v1(75.11,56.23) ; 86.74,38.44 v1(86.74,37.56) ; v1(83.06,95.98) 83.1,95.93 J1201.SH3 ; J1002.A1 94.16,8.81 v1(93.47,9.49) ; v1(67.57,51.66) C215.2 C211.2 v1(67.57,50.13) ; U601.3 112.21,71.66 v2(111.76,71.21) ; v1(148.97,37.43) 149.01,37.47 U903.4 ; U602.2 v1(113.67,74.83) ; v1(110.86,82.71) 110.85,82.7 C603.2 ; U902.4 150.28,30.45 v1(148.97,30.45) ; C605.2 140.86,61.93 v1(140.84,61.94) ; v1(98.93,105) 98.3,105.63 98.3,106.65 98.17,106.77 97.3,106.77 J1201.SH2 ; v1(75.11,48.73) 75.07,48.7 U201.138 ; C911.2 v1(157.74,66.13) ; v1(116.59,23.08) 115.71,23.08 C1004.2 115.37,22.76 112.46,22.76 v1(112.4,22.83) 112.46,22.89 ; v1(101.35,46.07) 100.47,46.07 100.47,44.54 v1(101.35,44.54) ; C602.2 115.44,82.7 v1(115.43,82.71) ; v1(151.26,28.67) 151.27,28.66 C901.2 ; U201.8 79.21,45.14 v1(79.5,45.43) ; v1(82.17,37.56) 82.17,38.44 83.69,38.44 v1(83.69,37.56) ; v1(115.06,9.49) 114.5,8.93 J1005.A12 ; v1(151.26,41.88) 151.27,41.86 C912.2 ; 109.22,40.34 X501.2 ; U701.10 73.16,82.64 v1(73.15,82.64) ; v1(151.77,66.13) C910.2 ; v1(77.6,37.56) 77.6,38.44 ; D1001.1 94.8,14 v2(94.74,13.94) 93.41,13.94 R1006.2 ; v2(69.72,64.48) 69.71,64.47 C246.2 ; C401.2 41.76,53.45 v1(41.77,53.43) ; v1(40.39,23.32) 40.39,22.45 38.86,22.45 v1(38.86,23.32) ; J501.6 34.6,3.96 v1(34.67,4.03) ; 89.79,38.44 v1(89.79,37.56) ; v1(92.84,37.56) 92.84,38.44 94.36,38.44 v1(94.36,37.56) ; J1201.9 86.56,93.64 86.11,93.19 v1(85.47,93.19) ; v1(82.55,105.88) 82.55,106.65 83.09,107.18 J1201.SH1 ; v1(75.18,82.52) 75.2,82.5 C704.2 ; v1(98.3,95.98) 98.25,95.93 J1201.SH4 ; v1(111.38,50.64) 111.61,50.64 111.62,50.63 ; 100.47,49.12 100.92,49.12 v1(101.35,49.54) ; 85.22,38.44 v1(85.22,37.56) ; v1(53.47,90.01) 53.48,90 C807.2 ; U201.87 86.21,63.83 v1(86.23,63.8) ; C1202.2 v1(90.81,89.12) ; v1(101.22,9.49) 100.66,8.93 J1002.A12 ; v1(47.88,54.45) 47.48,54.05 U401.12 ; C701.2 64.91,84.92 v1(64.9,84.93) ; Q1202.2 103.57,89 v2(103.57,88.99) ; D1004.6 113.86,14 v2(113.92,13.94) ; v1(75.31,53.2) U201.129 ; 59.88,23.26 59.94,23.32 v1(59.94,24.26) ; C208.2 v1(67.57,54.7) ; v1(145.48,60.74) 145.42,60.74 ; R1005.2 v1(102.74,14.83) ; v1(85.73,45.1) 85.71,45.08 U201.21 ; v1(146.43,73.25) U205.2
  Top w0.381: v1(128.91,91.94) 128.96,91.99 U1201.41 ; U202.2 152.62,82.05 152.53,82.14 ; U1201.41 130.17,94.49 v1(130.18,94.48) ; U1201.41 U1201.41 ; U1201.41 U1201.41 ; U1201.41 U1201.41 ; 158.24,60.77 C229.2 ; C810.2 v1(46.99,81.5) ; v1(45.34,14.19) 45.26,14.11 J501.SH3 ; J501.SH1 44.11,2.89 45.15,2.89 45.18,2.86 ; v1(145.48,60.74) 145.48,60.74 C234.2 ; v1(159.26,60.8) 159.25,60.81 ; U1201.41 126.16,92.02 v1(126.24,91.94) ; U1201.41 U1201.41 ; U1201.41 U1201.41 ; U1201.41 124.97,93.09 v1(124.97,93.08) ; C812.2 v1(63.5,83.79) ; J501.SH2 30.17,3.34 v1(30.1,3.27) ; v1(130.18,93.08) 130.17,93.09 U1201.41 ; U1201.41 U1201.41 ; U1201.41 U1201.41 ; U1201.41 128.96,96.97 v1(128.91,97.02) ; U1201.41 130.17,95.89 v1(130.18,95.88) ; U1201.41 127.64,95.97 v1(127.64,97.02) ; U1201.41 U1201.41 ; U1201.41 U1201.41 ; C805.2 58.03,88.6 v1(58.04,88.61) ; v1(60.2,86.45) 60.58,86.83 C804.2 ; U1201.41 U1201.41 ; U1201.41 127.56,92.02 v1(127.64,91.94) ; v1(63.5,82.13) 63.37,82.26 C813.2 ; 103,100.93 v1(103,100.8) 103.05,100.86 J1202.A12 ; U1201.41 U1201.41 ; 155.13,59.98 v2(155.19,59.91) ; C803.2 v1(63.5,85.31) ; U1201.41 U1201.41 ; U1201.41 126.15,95.88 v1(124.97,95.88) ; U1201.41 126.16,96.94 v1(126.24,97.02) ; v1(164.08,100.8) 164.52,101.24 J201.A12 ; C809.2 v1(46.99,83.02) ; v1(171.07,100.8) 171.02,100.85 J201.A1 ; 151.19,82.09 150.55,82.73 R202.2 ; U203.2 152.64,60.79 152.78,60.93 ; J1202.A1 109.6,101.92 v1(109.6,100.8) ; R709.2 v1(61.22,92.42) ; v1(149.86,60.55) 149.86,61.44 R205.2 ; v1(53.21,21.1) D801.2 ; C511.2 v1(117.6,48.73) ; v1(52.45,79.09) 52.47,79.1 C811.2 ; 115.95,49.75 115.96,49.74 C510.2 v1(116.08,48.73) ; C224.2 144.35,82.78 ; 155.02,60.93 C231.2 ; C814.2 v1(46.99,86.58)
  Top w0.508: C230.2 156.65,59.98 v4(156.72,59.91) ; C230.2 C229.2 ; C230.2 C231.2 ; R205.2 150.43,61.63 v2(151.13,60.93) v2(152.15,60.93) v2(153.16,60.93) v2(154.18,60.93) 155.02,60.93 ; 151.26,82.14 v2(152.15,82.14) v2(153.29,82.14) v2(154.31,82.14)
  Top w0.635: v1(152.4,71.09) 152.41,71.07 C909.2 ; C221.2 155.16,81.29 v2(155.19,81.25) ; C221.2 154.42,82.02 v2(154.31,82.14) ; C221.2 C219.2 ; U204.1 108.12,82.39 v1(108.84,82.39) ; U204.1 108.32,81.12 v1(108.97,81.12) ; U204.1 107.57,81.84 v1(107.57,80.36) ; U204.1 107.57,81.87 v1(107.57,83.28) ; v1(65.91,5.05) C1105.2 ; C226.2 v1(156.59,100.17) ; C231.2 155.13,59.98 ; v1(160.15,91.45) 160.1,91.41 Z201.2 156.64,91.41 v1(156.59,91.45) ; C905.2 158.48,17.1 v1(158.5,17.11) ; C238.2 v1(100.71,79.6) ; 152.16,20.54 C903.2 152.02,20.55 v1(152.02,21.56) ; v1(158.24,59.78) 158.24,60.77 ; 145.06,11.03 145.06,11.03 C1102.2 145.16,11.78 ; C232.2 151.56,56.56 v1(150.88,57.24) v1(150.88,56.1) ; C232.2 151.89,57.37 v2(152.15,57.62) ; C232.2 151.33,56.56 v1(150.88,56.1) ; C232.2 C233.2 150.95,55.03 v1(150.88,54.96) v1(150.88,56.1) ; C219.2 156.68,81.29 v2(156.72,81.25) ; C219.2 C220.2 ; v1(159.39,82.39) 159.02,82.02 C220.2 ; v1(159.39,82.39) v2(159.39,79.85) v2(159.39,78.58) v2(159.39,77.31) v2(159.39,76.04) 158.75,75.41 v1(157.99,75.41) C244.2 ; v1(159.39,82.39) 159.39,81.88 ; C1107.2 v1(139.07,11.91) ; D1004.2 v1(108.46,13.05) ; C228.2 v1(160.02,95.34) ; X701.3 111.13,60.28 111.38,60.53 111.38,66.64 C705.2 112.38,68.53 v1(112.4,68.55) ; C1203.2 C1204.2 117.88,101.96 117.9,101.95 v1(118.05,101.95) 118.31,102.21 U1201.1 120.13,102.23 ; D1001.2 v1(94.62,13.05) ; v1(51.18,92.42) C702.2 ; X501.2 110.95,40.28 111.38,40.71 111.38,50.65 ; C1110.2 v1(125.35,11.91) ; C241.2 v1(97.66,78.07) ; v1(139.38,102.14) 139.31,102.21 U1201.40 ; C1104.2 v1(156.59,11.91) ; 151.26,82.14 v2(151.23,82.11) ; C236.2 v1(97.66,79.6) ; C1109.2 121.54,7.2 v1(121.54,7.21) ; 152.26,16.48 v1(151.26,16.48) ; FB202.1 162.13,108.6 v1(162.18,108.55) ; v1(65.91,9.37) FB802.1 ; C240.2 v1(99.19,78.07) ; C1106.2 v1(177.29,7.08) ; C301.2 21.96,65.88 v1(21.97,65.87) 21.98,65.88 23.83,65.88 J302.57 J302.17 27.4,65.87 v1(29.21,65.87) 29.22,65.88 C302.2 ; FB1001.1 v1(104.27,10.13) ; C239.2 v1(100.71,78.07) ; C220.2 158.2,81.03 v1(158.37,80.87) ; C1101.2 142.09,15.31 v1(142.11,15.33) ; C245.2 157.66,54.35 v1(157.68,54.32) 159.13,54.32 v2(159.26,54.45) v1(159.26,60.8) ; v1(11.69,65.88) 11.67,65.89 C303.2 10.78,65.88 C304.2 8.4,65.88 v1(8.38,65.87) 6.44,65.87 J301.57 J301.17 ; C237.2 v1(99.19,79.6) ; v1(153.16,21.68) D901.2 ; C1108.2 v1(137.54,11.91) ; 159.25,60.81 C229.2 ; C227.2 v1(160.02,96.87) ; D902.2 v1(153.54,71.34) ; FB1201.1 v1(99.44,109.19) ; D1201.2 v1(103.12,96.61) ; FB1002.1 v1(117.86,10.13) ; C222.2 151.31,77.77 v1(150.75,78.33) v1(150.75,77.18) v1(150.75,76.04) 150.95,76.24 C223.2 C222.2
  Bottom w0.381: v1(34.67,100.42) 35.69,99.41 48.01,99.41 v1(49.53,97.88) 49.53,94.07 v1(51.18,92.42) 51.18,91.4 49.66,89.88 49.66,88.61 49.78,88.49 49.78,88.11 51.05,86.83 56.26,86.83 v1(58.04,88.61) 61.22,91.79 v1(61.22,92.42) 59.56,94.07 59.56,97.61 J701.6 59.44,99.7 59.44,103.34 57.53,105.25 49.15,105.25 48.39,104.49 34.8,104.49 v1(34.67,104.36) v1(34.67,100.42)
  Bottom w0.635: J601.5 J601.6
  vias: v1(35.69,65.75) v1(37.72,49.62) v1(38.74,58.64) v1(42.93,35.27) v1(43.44,64.74) v1(57.79,72.74) v1(64.64,64.36) v1(124.97,94.48) v1(142.37,36.29) v1(143.13,43.4) v1(144.39,82.81) v1(145.16,11.91) v1(158.62,27.53) v1(161.8,29.56) v1(162.18,19.65) v2(0.76,106.52) v2(0.76,103.98) v2(0.76,101.44) v2(0.76,98.9) v2(0.76,96.36) v2(0.76,93.82) v2(0.76,91.28) v2(0.76,88.74) v2(0.76,86.2) v2(0.76,83.66) v2(0.76,81.12) v2(0.76,78.58) v2(0.76,76.04) v2(0.76,73.5) v2(0.76,70.96) v2(0.76,68.42) v2(0.76,65.88) v2(0.76,63.34) v2(0.76,60.8) v2(0.76,58.26) v2(0.76,55.72) v2(0.76,53.18) v2(0.76,50.64) v2(0.76,48.1) v2(0.76,45.56) v2(0.76,43.02) v2(0.76,40.48) v2(0.76,37.94) v2(0.76,35.4) v2(0.76,32.86) v2(0.74,30.33) v2(0.74,27.79) v2(0.76,25.24) v2(0.76,22.7) v2(0.76,20.16) v2(0.76,17.62) v2(0.76,15.08) v2(0.76,12.54) v2(0.76,10) v2(0.76,7.46) v2(1.53,108.68) v2(4.45,109.19) v2(6.99,109.19) v2(8.51,5.68) v2(9.53,109.19) v2(11.05,15.33) v2(12.07,109.19) v2(12.07,1.11) v2(13.97,41.24) v2(16.51,1.11) v2(19.69,109.06) v2(20.45,49.88) v2(20.96,1.11) v2(22.23,109.06) v2(23.5,1.11) v2(24.51,109.06) v2(27.31,109.06) v2(29.85,109.06) v2(29.97,105.38) v2(30.48,1.11) v2(32.39,109.06) v2(33.02,1.11) v2(33.15,87.34) v2(34.93,109.06) v2(34.93,52.42) v2(35.56,1.11) v2(36.07,84.42) v2(38.1,1.11) v2(39.24,74.01) v2(40.01,109.06) v2(40.39,64.74) v2(40.64,1.11) v2(40.77,68.8) v2(42.55,109.06) v2(43.18,1.11) v2(45.09,109.06) v2(45.72,1.11) v2(48.26,1.11) v2(50.17,109.06) v2(50.8,1.11) v2(52.71,109.06) v2(53.34,1.11) v2(55.25,109.06) v2(55.88,1.11) v2(57.79,109.06) v2(58.42,1.11) v2(60.33,109.06) v2(60.96,1.11) v2(62.87,109.06) v2(63.5,1.11) v2(65.41,109.06) v2(66.04,1.11) v2(67.95,109.06) v2(70.49,109.06) v2(72.01,1.11) v2(73.03,109.06) v2(73.92,30.45) v2(73.92,6.32) v2(75.57,109.06) v2(76.33,32.73) v2(78.11,109.06) v2(80.65,109.06) v2(83.19,109.06) v2(85.73,109.06) v2(85.85,15.72) v2(88.27,109.06) v2(90.81,109.06) v2(92.2,0.73) v2(93.35,109.06) v2(94.74,0.73) v2(95.89,109.06) v2(97.28,0.73) v2(98.43,109.06) v2(99.82,0.73) v2(100.97,109.06) v2(101.98,30.07) v2(102.36,0.73) v2(103.51,109.06) v2(104.9,0.73) v2(106.05,109.06) v2(107.44,0.73) v2(108.59,109.06) v2(109.98,0.73) v2(111.13,109.06) v2(112.65,0.73) v2(115.19,0.73) v2(121.41,67.53) v2(125.6,0.73) v2(128.14,0.73) v2(130.68,0.73) v2(132.33,47.72) v2(133.35,0.73) v2(135.89,0.73) v2(138.43,0.73) v2(141.1,0.73) v2(143.64,0.73) v2(146.18,0.73) v2(146.69,109.06) v2(148.59,0.73) v2(151.13,0.73) v2(152.4,78.83) v2(153.67,0.73) v2(155.58,0.73) v2(158.12,0.73) v2(159.26,58.89) v2(159.26,57.75) v2(159.26,56.74) v2(159.26,55.59) v2(160.66,0.73) v2(161.42,74.77) v2(162.81,0.73) v2(164.47,109.06) v2(165.74,0.73) v2(167.01,109.06) v2(168.28,0.73) v2(169.55,109.06) v2(170.82,0.73) v2(172.09,109.06) v2(173.36,0.73) v2(178.94,6.19) v2(179.07,103.34) v2(179.07,100.8) v2(179.07,98.27) v2(179.07,95.72) v2(179.07,93.19) v2(179.07,90.64) v2(179.07,88.11) v2(179.07,85.56) v2(179.07,83.02) v2(179.07,80.48) v2(179.07,77.94) v2(179.07,75.41) v2(179.07,72.86) v2(179.07,70.33) v2(179.07,67.78) v2(179.07,65.25) v2(179.07,62.7) v2(179.07,60.16) v2(179.07,57.62) v2(179.07,55.08) v2(179.07,52.55) v2(179.07,50) v2(179.07,47.47) v2(179.07,44.92) v2(179.07,42.38) v2(179.07,39.84) v2(179.07,37.3) v2(179.07,34.76) v2(179.07,32.22) v2(179.07,29.69) v2(179.07,27.15) v2(179.07,24.6) v2(179.07,22.06) v2(179.07,19.53) v2(179.07,16.98) v2(179.07,14.44) v2(179.07,11.91) v2(179.07,9.37)
